# KiCad board analog_i.kicad_pcb
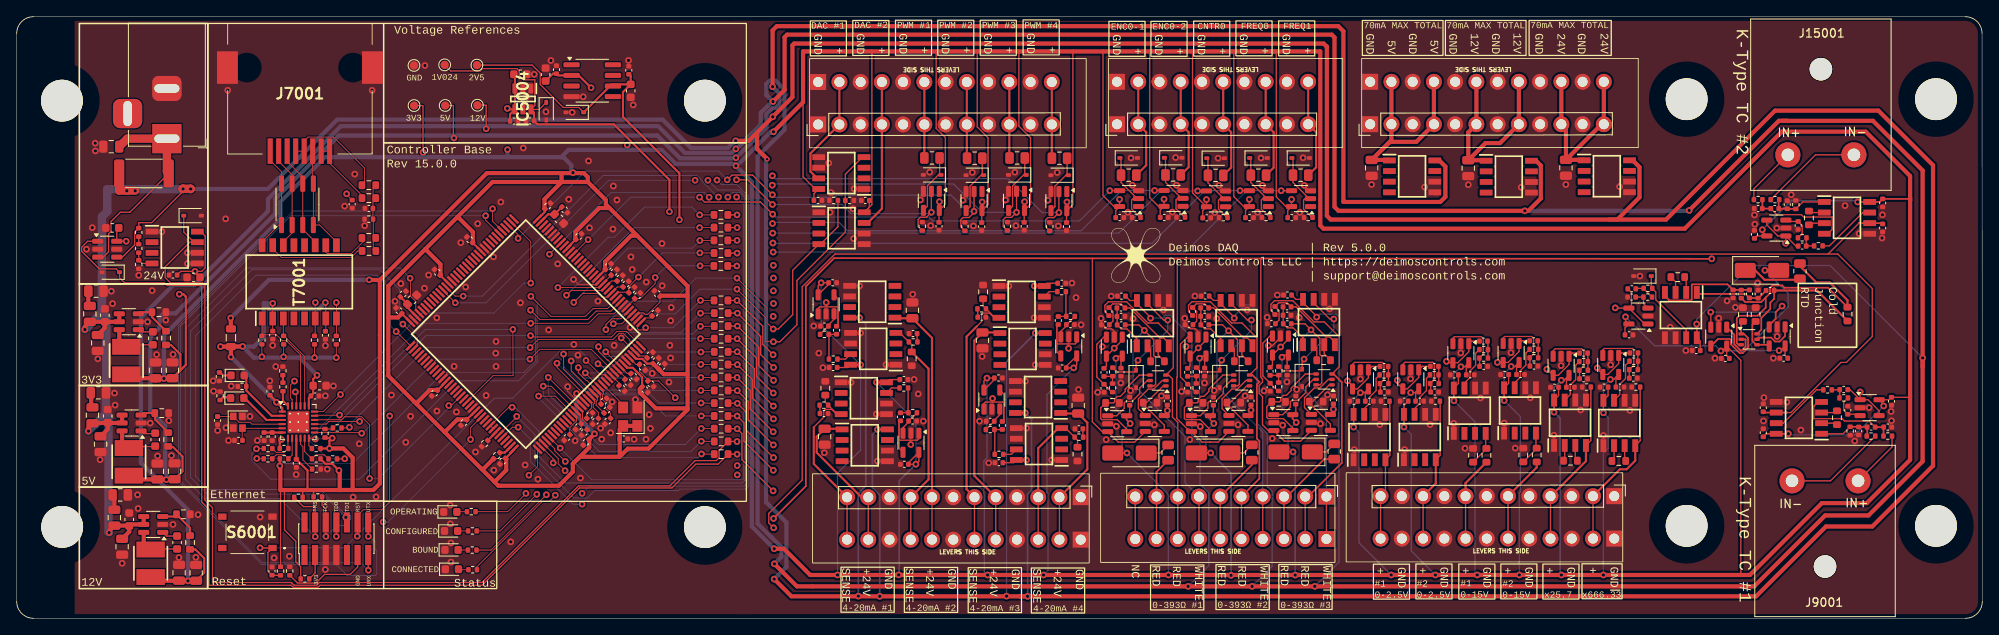
[diagram p0: board, top side]
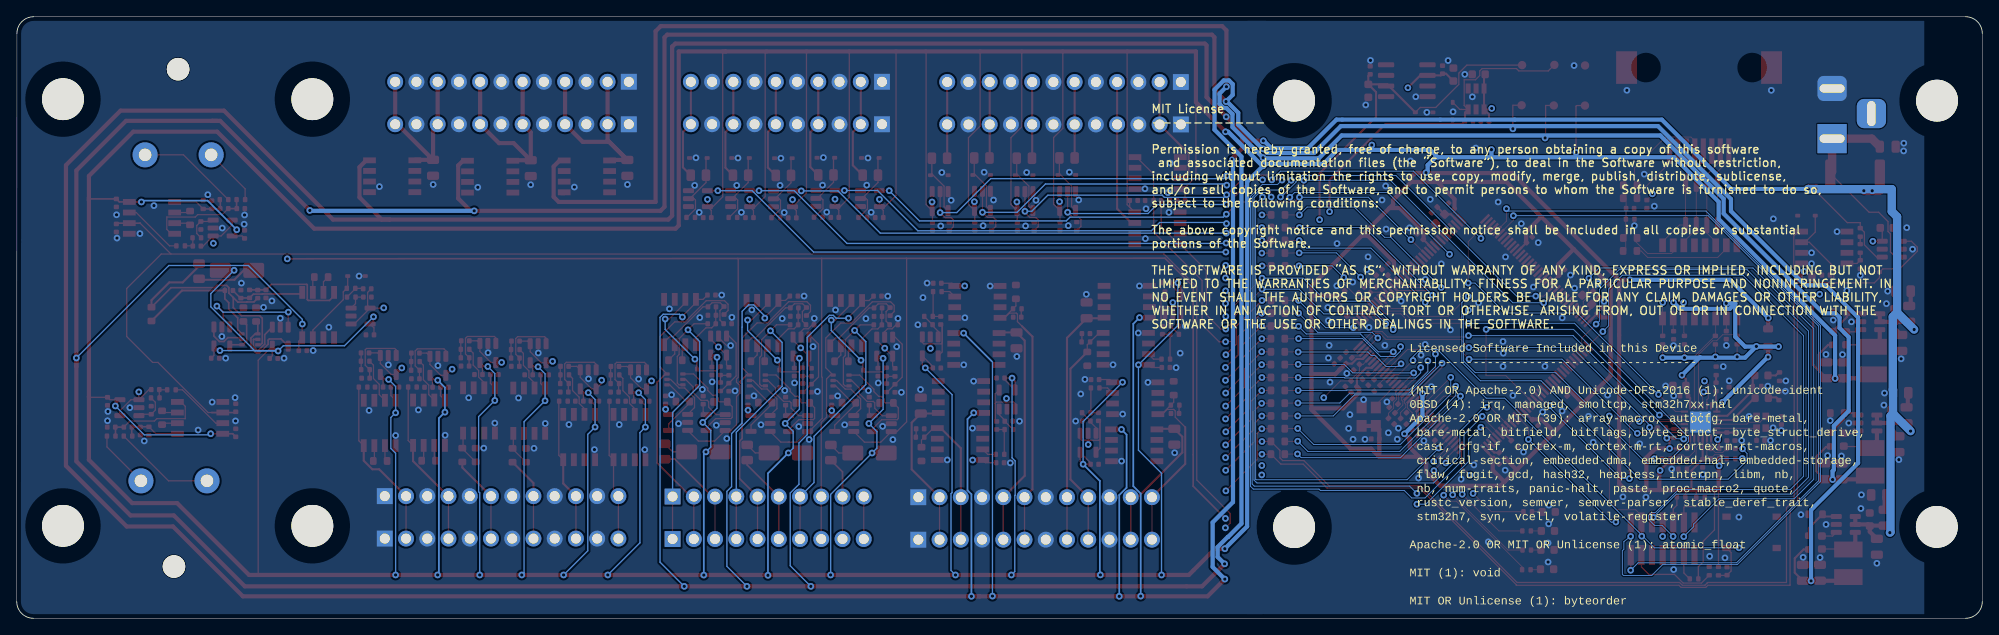
[diagram p1: board, bottom side, seen from below]

Outline 235.05 x 71.98 mm; copper layers: Top, In1.Cu, In2.Cu, Bottom. Coordinates in mm from the lower left corner of the outline.
Outline path: 0,69.98 0,2 arc(0.59,0.59) 2,0 233.05,0 arc(234.47,0.59) 235.05,2 235.03,69.98 arc(234.44,71.4) 233.03,71.98 2,71.98 arc(0.59,71.4) 0,69.98
Stack: Top 0.035mm / dielectric 0.1mm FR4 er 4.5 / In1.Cu 0.035mm / dielectric 1.24mm FR4 er 4.5 / In2.Cu 0.035mm / dielectric 0.1mm FR4 er 4.5 / Bottom 0.035mm

## Placement (name value [footprint] x y rotation side)
-1001  logo_minimal_25p4_by_20p3_mm  [logo_minimal_12p7_by_10p9_mm]  133.82 43.42 0 top
C3001  10uF 50V 0805  [C_0805_2012Metric]  162.03 53.9 90 top
C3002  10uF 50V 0805  [C_0805_2012Metric]  185.27 53.91 90 top
C3003  10uF 50V 0805  [C_0805_2012Metric]  173.58 53.86 90 top
C4001  1nF  [C_0402_1005Metric]  205.25 38.81 90 top
C4002  10nF  [C_0402_1005Metric]  207.21 38.81 270 top
C4003  1nF  [C_0402_1005Metric]  208.25 38.79 90 top
C4004  0.1uF  [C_0402_1005Metric]  200.84 32.04 180 top
C4007  0.1uF  [C_0402_1005Metric]  204.32 31.1 180 top
C4010  0.1uF  [C_0402_1005Metric]  211.31 31.12 180 top
C5001  1nF  [C_0402_1005Metric]  130.18 35.12 0 top
C5002  10nF  [C_0402_1005Metric]  132.05 37.14 180 top
C5003  1nF  [C_0402_1005Metric]  132.05 36.13 0 top
C5004  0.1uF  [C_0402_1005Metric]  132.11 38.55 180 top
C5007  0.1uF  [C_0402_1005Metric]  137.59 26 90 top
C5008  0.1uF  [C_0402_1005Metric]  61.38 59.52 180 top
C5009  0.1uF  [C_0402_1005Metric]  59.47 59.49 180 top
C5010  0.1uF  [C_0402_1005Metric]  133.1 25.97 90 top
C5012  10uF  [C_0603_1608Metric]  60.22 65.09 180 top
C6001  1uF 0402  [C_0402_1005Metric]  65.8 21.63 225 top
C6002  1uF 0402  [C_0402_1005Metric]  67.17 22.93 225 top
C6003  1uF 0402  [C_0402_1005Metric]  67.87 22.24 225 top
C6004  1uF 0402  [C_0402_1005Metric]  70.57 24.91 45 top
C6005  1uF 0402  [C_0402_1005Metric]  70.21 25.97 45 top
C6006  1uF 0402  [C_0402_1005Metric]  70.67 23.59 225 top
C6007  1uF 0402  [C_0402_1005Metric]  68.51 24.27 45 top
C6008  1uF 0402  [C_0402_1005Metric]  69.21 23.57 225 top
C6009  1uF 0402  [C_0402_1005Metric]  72.36 27.51 315 top
C6010  1uF 0402  [C_0402_1005Metric]  73.08 28.23 315 top
C6011  1uF 0402  [C_0402_1005Metric]  73.78 28.94 315 top
C6012  1uF 0402  [C_0402_1005Metric]  75.73 31.51 45 top
C6013  1uF 0402  [C_0402_1005Metric]  76.32 36.51 45 top
C6016  1uF 0402  [C_0402_1005Metric]  74.24 38.6 45 top
C6017  1uF 0402  [C_0402_1005Metric]  73.54 39.3 45 top
C6018  1uF 0402  [C_0402_1005Metric]  72.84 39.99 45 top
C6019  1uF 0402  [C_0402_1005Metric]  72.13 40.7 45 top
C6020  1uF 0402  [C_0402_1005Metric]  71.43 41.4 45 top
C6021  0.1uF  [C_0402_1005Metric]  68.08 21.06 45 top
C6022  0.1uF  [C_0402_1005Metric]  75.12 27.36 135 top
C6023  10nF  [C_0402_1005Metric]  74.82 30.04 135 top
C6024  0.1uF  [C_0402_1005Metric]  75.82 28.06 135 top
C6025  10nF  [C_0402_1005Metric]  76.44 30.81 225 top
C6026  0.1uF  [C_0402_1005Metric]  77.15 30.12 225 top
C6027  0.1uF  [C_0402_1005Metric]  30.52 5.65 270 top
C6028  0.1uF  [C_0402_1005Metric]  58.11 18.79 45 top
C6029  0.1uF  [C_0402_1005Metric]  76.58 38.85 315 top
C6030  0.1uF  [C_0402_1005Metric]  53.46 23.42 45 top
C6031  0.1uF  [C_0402_1005Metric]  70.73 42.09 225 top
C6032  0.1uF  [C_0402_1005Metric]  49.96 26.94 45 top
C6033  0.1uF  [C_0402_1005Metric]  67.19 45.68 225 top
C6034  0.1uF  [C_0402_1005Metric]  65.52 48.87 135 top
C6035  10uF  [C_0603_1608Metric]  64.84 47.79 135 top
C6036  0.1uF  [C_0402_1005Metric]  45.7 36.81 315 top
C6037  0.1uF  [C_0402_1005Metric]  63.49 49.33 225 top
C6038  0.1uF  [C_0402_1005Metric]  50.29 41.4 315 top
C6039  0.1uF  [C_0402_1005Metric]  54.17 45.29 315 top
C6040  10uF  [C_0603_1608Metric]  47.28 38.12 45 top
C6041  0.1uF  [C_0402_1005Metric]  46.21 38.81 225 top
C6043  0.1uF  [C_0402_1005Metric]  72.59 21.46 180 top
C6048  0.1uF  [C_0402_1005Metric]  64.55 65.65 270 top
C6049  10uF  [C_0603_1608Metric]  63.25 65.06 270 top
C6050  0.1uF  [C_0402_1005Metric]  73.2 65.57 270 top
C6051  10uF  [C_0603_1608Metric]  73.42 63.12 90 top
C7001  5.6pF 0402  [C_0402_1005Metric]  26.52 21.29 0 top
C7002  5.6pF 0402  [C_0402_1005Metric]  24.02 23.67 90 top
C7003  470pF 0402  [C_0402_1005Metric]  30.55 21.75 90 top
C7004  1uF 0402  [C_0402_1005Metric]  29.58 21.75 90 top
C7005  0.1uF  [C_0402_1005Metric]  33.44 18.54 90 top
C7006  0.1uF  [C_0402_1005Metric]  30.28 27.18 270 top
C7007  0.1uF  [C_0402_1005Metric]  40.11 49.56 90 top
C7008  0.1uF  [C_0402_1005Metric]  35.67 26.61 180 top
C7009  10uF  [C_0603_1608Metric]  36.22 27.84 180 top
C7010  0.1uF  [C_0402_1005Metric]  30.62 33.89 90 top
C7011  0.1uF  [C_0402_1005Metric]  36.92 33.87 90 top
C7012  4.7nF  [C_0402_1005Metric]  42.12 49.05 180 top
C8001  0.1uF 0603  [C_0603_1608Metric]  11.42 46.72 180 top
C8003  10uF 50V 0805  [C_0805_2012Metric]  11.3 56.43 180 top
C8005  0.1uF  [C_0402_1005Metric]  18.69 41.07 0 top
C8006  10uF  [C_0603_1608Metric]  21.14 40.79 0 top
C9001  2.2uF  [C_0402_1005Metric]  223.75 22.88 0 top
C9002  1uF  [C_0402_1005Metric]  221.76 22.88 180 top
C9003  2.2uF  [C_0402_1005Metric]  220.27 22.41 270 top
C9004  0.1uF  [C_0402_1005Metric]  208.86 22.2 90 top
C9006  0.1uF  [C_0402_1005Metric]  208.86 25.19 270 top
C10001  0.1uF 50V 0603  [C_0603_1608Metric]  16.28 33.5 90 top
C10002  10uF 50V 0805  [C_0805_2012Metric]  9.69 32.95 270 top
C10003  10uF 50V 0805  [C_0805_2012Metric]  16.59 29.67 90 top
C10004  10uF 50V 0805  [C_0805_2012Metric]  8.74 36.43 90 top
C10005  0.1uF 50V 0603  [C_0603_1608Metric]  10.54 36.26 90 top
C10006  2.2uF 50V 0805  [C_0805_2012Metric]  18.62 29.67 90 top
C11001  10nF  [C_0402_1005Metric]  96.54 24.51 0 top
C11002  0.1uF  [C_0402_1005Metric]  106.1 28.56 180 top
C11003  0.1uF 50V 0603  [C_0603_1608Metric]  10.88 24.2 90 top
C11004  10uF 50V 0805  [C_0805_2012Metric]  9.05 24.29 90 top
C11005  10uF 50V 0805  [C_0805_2012Metric]  10.02 20.83 270 top
C11006  0.1uF 50V 0603  [C_0603_1608Metric]  16.56 21.38 90 top
C11007  2.2uF 50V 0805  [C_0805_2012Metric]  16.82 17.57 90 top
C11008  10uF 50V 0805  [C_0805_2012Metric]  18.87 17.59 90 top
C12001  0.1uF 50V 0603  [C_0603_1608Metric]  13.46 11.83 90 top
C12002  10uF 50V 0805  [C_0805_2012Metric]  11.68 12.04 90 top
C12003  10uF 50V 0805  [C_0805_2012Metric]  12.61 8.56 270 top
C12006  0.1uF 50V 0603  [C_0603_1608Metric]  19.18 9.07 90 top
C12007  2.2uF 50V 0805  [C_0805_2012Metric]  19.42 5.45 90 top
C12008  10uF 50V 0805  [C_0805_2012Metric]  21.46 5.44 90 top
C13001  1nF  [C_0402_1005Metric]  140.18 35.13 0 top
C13002  10nF  [C_0402_1005Metric]  142.06 37.15 180 top
C13003  1nF  [C_0402_1005Metric]  142.06 36.14 0 top
C13004  0.1uF  [C_0402_1005Metric]  142.12 38.56 180 top
C13007  0.1uF  [C_0402_1005Metric]  147.6 26.01 90 top
C13010  0.1uF  [C_0402_1005Metric]  143.1 25.98 90 top
C14001  10nF  [C_0402_1005Metric]  107.19 34.07 180 top
C14002  0.1uF  [C_0402_1005Metric]  97.63 30.01 0 top
C15001  2.2uF  [C_0402_1005Metric]  208.25 49.02 180 top
C15002  1uF  [C_0402_1005Metric]  210.24 49.02 0 top
C15003  2.2uF  [C_0402_1005Metric]  211.73 49.49 90 top
C15004  0.1uF  [C_0402_1005Metric]  223.14 49.7 270 top
C15005  10nF C0G 5%  [C_0402_1005Metric]  193.12 38.44 0 top
C15006  0.1uF  [C_0402_1005Metric]  223.14 46.71 90 top
C15007  10nF C0G 5%  [C_0402_1005Metric]  193.14 39.43 180 top
C15008  0.1uF  [C_0402_1005Metric]  192.81 33.92 180 top
C17001  1nF  [C_0402_1005Metric]  150.04 35.25 0 top
C17002  10nF  [C_0402_1005Metric]  151.91 37.27 180 top
C17003  1nF  [C_0402_1005Metric]  151.91 36.26 0 top
C17004  0.1uF  [C_0402_1005Metric]  151.97 38.68 180 top
C17005  10nF C0G 5%  [C_0402_1005Metric]  218.97 24.9 270 top
C17006  10nF C0G 5%  [C_0402_1005Metric]  218.49 27.36 0 top
C17007  0.1uF  [C_0402_1005Metric]  157.46 26.13 90 top
C17008  10uF 50V 0805  [C_0805_2012Metric]  96.62 21.73 90 top
C17009  0.1uF  [C_0402_1005Metric]  224.19 25.96 90 top
C17010  0.1uF  [C_0402_1005Metric]  152.96 26.1 90 top
C18001  10nF  [C_0402_1005Metric]  115.41 36.03 0 top
C18002  0.1uF  [C_0402_1005Metric]  124.97 40.09 180 top
C19001  10nF C0G 5%  [C_0402_1005Metric]  213.03 47 90 top
C19002  10nF C0G 5%  [C_0402_1005Metric]  213.52 44.54 180 top
C19003  0.1uF  [C_0402_1005Metric]  207.81 45.94 270 top
C20001  10uF 50V 0805  [C_0805_2012Metric]  107.11 36.85 270 top
C21001  10nF C0G 5%  [C_0402_1005Metric]  130.03 27.52 90 top
C21002  10nF C0G 5%  [C_0402_1005Metric]  130.02 29.43 90 top
C21003  0.1uF  [C_0402_1005Metric]  132.05 29.45 90 top
C22001  10nF  [C_0402_1005Metric]  127.02 22.67 180 top
C22002  0.1uF  [C_0402_1005Metric]  117.46 18.62 0 top
C24001  10uF 50V 0805  [C_0805_2012Metric]  115.49 33.25 90 top
C24002  10nF C0G 5%  [C_0402_1005Metric]  140.03 27.53 90 top
C24003  10nF C0G 5%  [C_0402_1005Metric]  140.03 29.44 90 top
C24004  0.1uF  [C_0402_1005Metric]  142.06 29.46 90 top
C27001  10nF C0G 5%  [C_0402_1005Metric]  149.89 27.65 90 top
C27002  10nF C0G 5%  [C_0402_1005Metric]  149.89 29.56 90 top
C27003  0.1uF  [C_0402_1005Metric]  151.92 29.58 90 top
C28001  10uF 50V 0805  [C_0805_2012Metric]  126.93 25.45 270 top
C29001  10nF C0G 5%  [C_0402_1005Metric]  116.42 23.57 0 top
C29002  10nF C0G 5%  [C_0402_1005Metric]  117.87 23.07 90 top
C29003  0.1uF  [C_0402_1005Metric]  117.4 28.75 180 top
C31001  10nF C0G 5%  [C_0402_1005Metric]  126.01 35.13 180 top
C31002  10nF C0G 5%  [C_0402_1005Metric]  124.56 35.63 270 top
C31003  0.1uF  [C_0402_1005Metric]  125.03 29.95 0 top
C33001  10nF C0G 5%  [C_0402_1005Metric]  96.59 34.97 0 top
C33002  10nF C0G 5%  [C_0402_1005Metric]  98.04 34.47 90 top
C33003  0.1uF  [C_0402_1005Metric]  97.57 40.15 180 top
C35001  10nF C0G 5%  [C_0402_1005Metric]  107.14 23.61 180 top
C35002  10nF C0G 5%  [C_0402_1005Metric]  105.69 24.11 270 top
C35003  0.1uF  [C_0402_1005Metric]  106.16 18.43 0 top
C36001  0.1uF  [C_0402_1005Metric]  189.82 27.66 0 top
C37001  10nF C0G 5%  [C_0402_1005Metric]  193.33 28.73 180 top
C37002  10nF C0G 5%  [C_0402_1005Metric]  193.4 31.75 180 top
C37003  0.1uF  [C_0402_1005Metric]  191.72 27.66 180 top
C38001  0.1uF  [C_0402_1005Metric]  183.9 27.65 0 top
C39001  10nF C0G 5%  [C_0402_1005Metric]  187.37 28.66 180 top
C39002  10nF C0G 5%  [C_0402_1005Metric]  187.38 31.73 180 top
C39003  0.1uF  [C_0402_1005Metric]  185.8 27.65 180 top
C40001  0.1uF  [C_0402_1005Metric]  177.93 29.16 0 top
C41001  10nF C0G 5%  [C_0402_1005Metric]  181.44 30.18 180 top
C41002  10nF C0G 5%  [C_0402_1005Metric]  181.41 33.2 180 top
C41003  0.1uF  [C_0402_1005Metric]  179.84 29.16 180 top
C42001  0.1uF  [C_0402_1005Metric]  171.92 29.13 0 top
C43001  10nF C0G 5%  [C_0402_1005Metric]  175.43 30.15 180 top
C43002  10nF C0G 5%  [C_0402_1005Metric]  175.4 33.17 180 top
C43003  0.1uF  [C_0402_1005Metric]  173.83 29.13 180 top
C44001  0.1uF  [C_0402_1005Metric]  165.91 25.98 0 top
C45001  10nF C0G 5%  [C_0402_1005Metric]  169.57 27.07 180 top
C45002  10nF C0G 5%  [C_0402_1005Metric]  169.54 30.15 180 top
C45003  0.1uF  [C_0402_1005Metric]  167.77 25.98 180 top
C46001  0.1uF  [C_0402_1005Metric]  159.9 25.97 0 top
C47001  10nF C0G 5%  [C_0402_1005Metric]  163.55 27.07 180 top
C47002  10nF C0G 5%  [C_0402_1005Metric]  163.52 30.14 180 top
C47003  0.1uF  [C_0402_1005Metric]  161.75 25.97 180 top
C48001  0.1uF  [C_0402_1005Metric]  131.91 47.95 180 top
C49001  0.1uF  [C_0402_1005Metric]  137.22 47.97 180 top
C50001  0.1uF  [C_0402_1005Metric]  142.3 47.92 180 top
C51001  0.1uF  [C_0402_1005Metric]  147.43 47.94 180 top
C52001  0.1uF  [C_0402_1005Metric]  152.47 47.94 180 top
C53001  0.1uF  [C_0402_1005Metric]  95.82 50 180 top
C54001  0.1uF  [C_0402_1005Metric]  101.48 50 0 top
C55001  0.1uF  [C_0402_1005Metric]  110.29 46.91 90 top
C56001  0.1uF  [C_0402_1005Metric]  115.4 46.87 90 top
C57001  0.1uF  [C_0402_1005Metric]  120.48 46.9 90 top
C58001  0.1uF  [C_0402_1005Metric]  125.54 46.87 90 top
D4001  D_Schottky  [D_SMA]  208.71 41.63 0 top
D4002  BZT52C3V3  [D_SOD-323]  194.42 40.95 180 top
D5001  D_Schottky  [D_SMA]  133.07 19.78 180 top
D5002  BZT52C3V3  [D_SOD-323]  63.32 60.68 270 top
D6001  Purple LED  [LED_0603_1608Metric]  52.04 5.87 0 top
D6002  Purple LED  [LED_0603_1608Metric]  51.99 8.18 0 top
D6003  Purple LED  [LED_0603_1608Metric]  51.94 10.45 0 top
D6004  Purple LED  [LED_0603_1608Metric]  51.85 12.73 0 top
D6005  BZT52C3V3  [D_SOD-323]  66.75 60.54 180 top
D7001  Purple LED  [LED_0603_1608Metric]  26.42 29.06 0 top
D7002  Purple LED  [LED_0603_1608Metric]  26.37 26.35 0 top
D7003  CDNBS08-SLVU2.8-4  [SOIC-8_3.9x4.9mm_P1.27mm]  33.57 49.54 90 top
D8001  BZT52C3V3  [D_SOD-323]  11.24 41.41 180 top
D8002  BZT52C3V3  [D_SOD-323]  21.02 48.18 0 top
D9001  BZT52C3V3  [D_SOD-323]  133.86 28.64 270 top
D13001  D_Schottky  [D_SMA]  143.08 19.79 180 top
D17001  D_Schottky  [D_SMA]  152.93 19.91 180 top
D23001  BZT52C3V3  [D_SOD-323]  143.87 28.65 270 top
D26001  BZT52C3V3  [D_SOD-323]  153.72 28.77 270 top
D48001  BZT52C5V6S  [D_SOD-323]  132.97 55.08 0 top
D49001  BZT52C5V6S  [D_SOD-323]  138.29 55.1 0 top
D50001  BZT52C5V6S  [D_SOD-323]  143.37 55.05 0 top
D51001  BZT52C5V6S  [D_SOD-323]  148.49 55.08 0 top
D52001  BZT52C5V6S  [D_SOD-323]  153.54 55.08 0 top
D55001  BZT52C5V6S  [D_SOD-323]  109.47 53.05 180 top
D56001  BZT52C5V6S  [D_SOD-323]  114.58 53.02 180 top
D57001  BZT52C5V6S  [D_SOD-323]  119.66 53.05 180 top
D58001  BZT52C5V6S  [D_SOD-323]  124.72 53.02 180 top
FB7001  GZ2012D601TF  [L_0805_2012Metric]  25.62 33.57 270 top
H2001  MountingHole_for_10-32  [MountingHole_5mm]  5.41 61.94 180 top
H2002  MountingHole_for_10-32  [MountingHole_5mm]  5.43 10.94 180 top
H2003  MountingHole_for_10-32  [MountingHole_5mm]  82.29 10.91 180 top
H2004  MountingHole_for_10-32  [MountingHole_5mm]  82.29 61.94 180 top
H3001  MountingHole_for_10-32  [MountingHole_5mm]  229.52 11.06 180 top
H3002  MountingHole_for_10-32  [MountingHole_5mm]  229.52 62.11 180 top
H3003  MountingHole_for_10-32  [MountingHole_5mm]  199.7 11.06 180 top
H3004  MountingHole_for_10-32  [MountingHole_5mm]  199.7 62.11 180 top
IC3001  BD42540FJ-CE2  [SOIC127P600X175-8N]  166.87 52.88 0 top
IC3002  BD42540FJ-CE2  [SOIC127P600X175-8N]  190.16 52.89 0 top
IC3003  BD42540FJ-CE2  [SOIC127P600X175-8N]  178.43 52.84 0 top
IC4001  INA826AIDR  [SOIC127P600X175-8N]  199.01 36.28 270 top
IC4002  TLV333IDBVR  [SOT-23-5]  203.54 33.7 270 top
IC4003  TLV333IDBVR  [SOT-23-5]  210.52 33.72 270 top
IC5001  INA826AIDR  [SOIC127P600X175-8N]  135.87 35.32 90 top
IC5002  TLV333IDBVR  [SOT-23-5]  136.09 23.31 0 top
IC5003  TLV333IDBVR  [SOT-23-5]  131.6 23.28 0 top
IC5004  REF35102QDBVR  [SOT95P280X145-6N]  60.53 62.14 270 top
IC6001  STM32H743ZIT6  [QFP50P2200X2200X160-144N]  60.87 34 135 top
IC8001  INA826AIDR  [SOIC127P600X175-8N]  18.89 44.37 0 top
IC9001  INA826AIDR  [SOIC127P600X175-8N]  213.12 23.98 180 top
IC10001  TPS560430XDBVR  [SOT-23-6]  13.4 35.49 180 top
IC11001  INA826AIDR  [SOIC127P600X175-8N]  101.3 26.33 0 top
IC11002  TPS560430XDBVR  [SOT-23-6]  13.74 23.37 180 top
IC12001  TPS560430XDBVR  [SOT-23-6]  16.32 11.23 180 top
IC13001  INA826AIDR  [SOIC127P600X175-8N]  145.87 35.33 90 top
IC13002  TLV333IDBVR  [SOT-23-5]  146.1 23.32 0 top
IC13003  TLV333IDBVR  [SOT-23-5]  141.61 23.29 0 top
IC14001  INA826AIDR  [SOIC127P600X175-8N]  102.42 32.24 180 top
IC15001  INA826AIDR  [SOIC127P600X175-8N]  218.88 47.92 0 top
IC17001  INA826AIDR  [SOIC127P600X175-8N]  155.73 35.45 90 top
IC17002  TLV333IDBVR  [SOT-23-5]  155.96 23.44 0 top
IC17003  TLV333IDBVR  [SOT-23-5]  151.47 23.42 0 top
IC17004  BD42540FJ-CE2  [SOIC127P600X175-8N]  101.42 20.7 0 top
IC18001  INA826AIDR  [SOIC127P600X175-8N]  120.17 37.86 0 top
IC20001  BD42540FJ-CE2  [SOIC127P600X175-8N]  102.31 37.87 180 top
IC22001  INA826AIDR  [SOIC127P600X175-8N]  122.25 20.85 180 top
IC24001  BD42540FJ-CE2  [SOIC127P600X175-8N]  120.29 32.23 0 top
IC28001  BD42540FJ-CE2  [SOIC127P600X175-8N]  122.13 26.48 180 top
IC36001  INA826AIDR  [SOIC127P600X175-8N]  191.65 23.37 90 top
IC38001  INA826AIDR  [SOIC127P600X175-8N]  185.75 23.4 90 top
IC40001  INA826AIDR  [SOIC127P600X175-8N]  179.77 24.87 90 top
IC42001  INA826AIDR  [SOIC127P600X175-8N]  173.76 24.84 90 top
IC44001  INA826AIDR  [SOIC127P600X175-8N]  167.79 21.69 90 top
IC46001  INA826AIDR  [SOIC127P600X175-8N]  161.78 21.68 90 top
IC53001  INA826AIDR  [SOIC127P600X175-8N]  98.61 53.28 180 top
IC54001  INA826AIDR  [SOIC127P600X175-8N]  98.64 46.67 0 top
J3001  Screw_Terminal_01x12  [KF141V-2.54-12P]  161.85 59.12 90 top
J3002  Screw_Terminal_01x10  [KF141V-2.54-10P]  156.62 14.57 270 top
J3003  Screw_Terminal_01x12  [KF141V-2.54-12P]  127.23 14.49 270 top
J3004  Screw_Terminal_01x12  [KF141V-2.54-12P]  191.04 14.62 270 top
J3005  Screw_Terminal_01x10  [KF141V-2.54-10P]  131.58 59.12 90 top
J3006  Screw_Terminal_01x12  [KF141V-2.54-12P]  95.84 59.09 90 top
J6001  Conn_02x07_Odd_Even  [PinHeader_2x07_P1.27mm_Vertical_SMD]  38.22 9.52 90 top
J7001  6339160-1  [63391601]  33.87 63.37 180 top
J8001  Barrel_Jack PJ-202BH  [BarrelJack_Horizontal]  17.96 57.4 270 top
J9001  -  [AM-K-PCB]  216.25 2.2 180 top
J15001  -  [AM-K-PCB]  215.75 69.7 0 top
L10001  12uH FNR4030S120MT  [INDPM4040X300N]  13.11 30.84 90 top
L11001  18uH  FNR4030S180MT  [INDPM4040X300N]  13.41 18.72 90 top
L12001  33uH  FNR4020S330MT  [INDPM4040X300N]  16.02 6.58 90 top
R3001  PTS060301B100RP100  [R_0603_1608Metric]  218.94 36.4 90 top
R4002  RNCF0603TKY2K00 2k 0.01% 5ppm/C  [R_0603_1608Metric]  198.64 40.83 180 top
R4003  300  [R_0805_2012Metric]  213.25 41.54 90 top
R4004  10k 1%  [C_0402_1005Metric]  206.23 38.79 270 top
R4005  10k 1%  [C_0402_1005Metric]  209.68 39.22 0 top
R4006  RNCF0603TKW10K0 10k 0.01% 5ppm/C  [R_0603_1608Metric]  206.43 36.35 90 top
R4009  RNCF0603TKW10K0 10k 0.01% 5ppm/C  [R_0603_1608Metric]  207.95 36.35 90 top
R5002  RNCF0603TKY2K00 2k 0.01% 5ppm/C  [R_0603_1608Metric]  136.42 30.75 0 top
R5003  300  [R_0805_2012Metric]  137.69 19.83 270 top
R5004  10k 1%  [C_0402_1005Metric]  130.61 36.69 270 top
R5005  10k 1%  [C_0402_1005Metric]  132.08 35.11 0 top
R5006  RNCF0603TKW10K0 10k 0.01% 5ppm/C  [R_0603_1608Metric]  135.54 25.8 0 top
R5009  RNCF0603TKW10K0 10k 0.01% 5ppm/C  [R_0603_1608Metric]  131.04 25.77 0 top
R6001  10R 0603  [R_0603_1608Metric]  84.24 19.64 180 top
R6002  10R 0603  [R_0603_1608Metric]  84.24 21.16 180 top
R6003  10R 0603  [R_0603_1608Metric]  84.24 22.69 180 top
R6004  10R 0603  [R_0603_1608Metric]  84.24 27.26 180 top
R6005  10R 0603  [R_0603_1608Metric]  84.24 28.81 180 top
R6006  10R 0603  [R_0603_1608Metric]  84.24 30.36 180 top
R6007  10R 0603  [R_0603_1608Metric]  84.23 24.21 180 top
R6008  10R 0603  [R_0603_1608Metric]  84.24 25.74 180 top
R6009  10R 0603  [R_0603_1608Metric]  84.24 31.89 180 top
R6010  10R 0603  [R_0603_1608Metric]  84.24 33.45 180 top
R6011  10R 0603  [R_0603_1608Metric]  84.24 34.96 180 top
R6012  10R 0603  [R_0603_1608Metric]  84.24 36.51 180 top
R6013  10R 0603  [R_0603_1608Metric]  84.22 38.04 180 top
R6016  10R 0603  [R_0603_1608Metric]  84.2 42.16 180 top
R6017  10R 0603  [R_0603_1608Metric]  84.22 43.7 180 top
R6018  10R 0603  [R_0603_1608Metric]  84.21 45.22 180 top
R6019  10R 0603  [R_0603_1608Metric]  84.22 46.75 180 top
R6020  10R 0603  [R_0603_1608Metric]  84.21 48.27 180 top
R6021  10k  [R_0402_1005Metric]  57.39 19.47 45 top
R6022  10k  [R_0402_1005Metric]  55.96 20.91 225 top
R6023  10k  [R_0402_1005Metric]  54.53 5.81 0 top
R6024  100R 0402  [R_0402_1005Metric]  32.65 5.66 270 top
R6025  10k  [R_0402_1005Metric]  54.47 8.17 0 top
R6026  10k  [R_0402_1005Metric]  54.49 10.45 0 top
R6027  10k  [R_0402_1005Metric]  54.36 12.76 0 top
R6028  10k  [R_0402_1005Metric]  31.55 5.65 270 top
R6029  10k  [R_0402_1005Metric]  33.69 14.47 0 top
R6030  10k  [R_0402_1005Metric]  36.01 14.52 180 top
R7001  33R  [R_0402_1005Metric]  30.05 19.09 180 top
R7002  10k  [R_0402_1005Metric]  31.98 19.09 0 top
R7003  33R  [R_0402_1005Metric]  30.06 20.32 180 top
R7004  10k  [R_0402_1005Metric]  31.97 20.32 0 top
R7005  33R  [R_0402_1005Metric]  37.8 19.07 180 top
R7006  10k  [R_0402_1005Metric]  35.82 19.08 180 top
R7007  33R  [R_0402_1005Metric]  38.33 22.78 0 top
R7008  1.5k  [R_0402_1005Metric]  35.81 20.32 0 top
R7009  10k  [R_0402_1005Metric]  36.87 22.14 90 top
R7010  10k  [R_0402_1005Metric]  35.84 17.86 180 top
R7011  49.9  [R_0402_1005Metric]  38.22 33.29 270 top
R7012  10k  [R_0402_1005Metric]  26.94 27.75 180 top
R7013  49.9  [R_0402_1005Metric]  35.62 33.29 270 top
R7014  12k  [R_0402_1005Metric]  31.84 27.69 270 top
R7015  1.5k  [R_0402_1005Metric]  24.24 28.91 90 top
R7016  49.9  [R_0402_1005Metric]  31.92 33.29 270 top
R7017  100R  [R_0402_1005Metric]  31.82 29.61 270 top
R7018  49.9  [R_0402_1005Metric]  29.32 33.29 270 top
R7019  10k  [R_0402_1005Metric]  24.32 26.62 90 top
R7020  75  [R_0603_1608Metric]  42.11 45.51 0 top
R7021  75  [R_0603_1608Metric]  42.13 43.96 180 top
R7022  75  [R_0603_1608Metric]  42.11 51.82 180 top
R7023  75  [R_0603_1608Metric]  42.12 50.28 0 top
R7024  1M  [R_0402_1005Metric]  42.11 47.77 180 top
R8004  MRF6432(2512)LR006FTS 0.006 1%  [R_2512_6332Metric]  15.21 53.23 0 top
R8005  1.5k  [R_0402_1005Metric]  14.59 42.33 90 top
R8006  10k  [R_0402_1005Metric]  14.59 46.18 270 top
R8007  10k  [R_0402_1005Metric]  14.59 44.26 90 top
R9001  10  [R_0402_1005Metric]  223.75 21.8 180 top
R9002  10  [R_0402_1005Metric]  221.74 21.8 0 top
R9003  1M  [R_0402_1005Metric]  219.25 22.41 270 top
R9005  RNCF0603TKY2K00 2k 0.01% 5ppm/C  [R_0603_1608Metric]  217.68 24 90 top
R10001  22.1k 0603  [R_0603_1608Metric]  17 36.63 0 top
R10002  51k 0603  [R_0603_1608Metric]  17.86 33.54 90 top
R10003  1R 0805  [R_0805_2012Metric]  9.47 39.15 0 top
R11001  200R  [R_0402_1005Metric]  96.53 25.51 0 top
R11002  RNCF0603TKY75R0 75R 0.01% 5ppm/C  [R_0603_1608Metric]  96.7 27.53 270 top
R11003  1R 0805  [R_0805_2012Metric]  9.76 26.98 0 top
R11004  88.7k 0603  [R_0603_1608Metric]  18.11 21.39 90 top
R11005  22.1k 0603  [R_0603_1608Metric]  17.34 24.55 0 top
R12001  243k 0603  [R_0603_1608Metric]  20.73 9.07 90 top
R12002  22.1k 0603  [R_0603_1608Metric]  19.93 12.44 0 top
R12003  1R 0805  [R_0805_2012Metric]  12.38 14.76 0 top
R13002  RNCF0603TKY2K00 2k 0.01% 5ppm/C  [R_0603_1608Metric]  146.43 30.76 0 top
R13003  300  [R_0805_2012Metric]  147.7 19.84 270 top
R13004  10k 1%  [C_0402_1005Metric]  140.62 36.7 270 top
R13005  10k 1%  [C_0402_1005Metric]  142.08 35.12 0 top